# KiCad board UniversalTKL.kicad_pcb (continued)
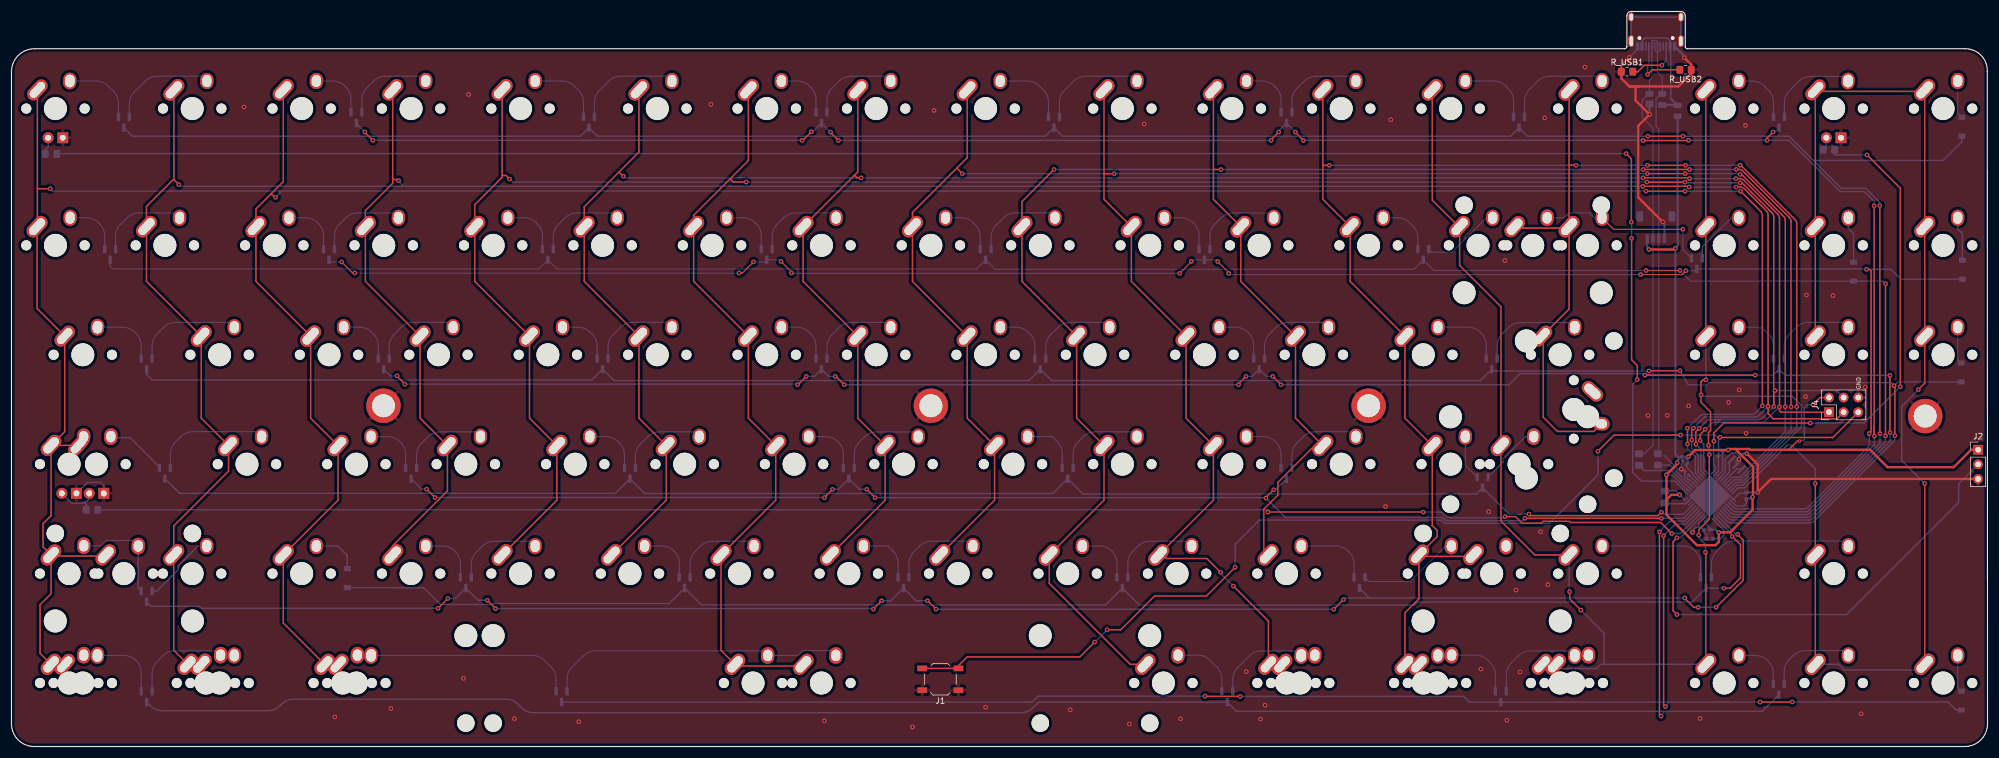
[diagram p0: board, top side]
## Via types (continued)

## Routing (per net, layer and track width the routed paths; a pad name or vN(x,y) marks a point on that pad's centre or on a via; arc(x,y) is an arc through that point)
+5V: length 210.5
  Top w0.25: 309.37,51.67 310.87,53.16 v2(311.26,53.16) ; J4.2 314.84,60.75 v1(313.61,59.52)
  Top w0.4: v1(289.66,86.75) 289.45,86.54 v1(285.06,86.54) ; 288.11,42.97 288.11,40.36 293.42,35.05 296.65,35.05 297.21,35.61 v1(297.21,37.28) 299.17,37.28 303.1,41.21 v1(303.1,43.42) 303.18,43.5 303.18,48.7 300.58,51.3 300.58,51.31 300.09,51.8 ; 288.11,42.97 v1(288.11,47.31) 289.98,49.18 v1(289.98,49.42) ; 288.11,42.97 288.96,43.82 v1(290.41,43.82) ; v1(291.92,50.48) 293.06,51.62 298.86,51.62 299.04,51.8 300.09,51.8 ; 300.09,51.8 302.47,51.8 302.61,51.67 323.55,51.67 326.59,48.63 338.11,48.63 341.14,51.67 J2.1
  Bottom w0.25: U1.14 297.88,47.97 297.88,51.35 ; U1.44 291.19,43.04 v1(290.41,43.82) ; C_DECOUP1.1 295.67,38.05 294.75,38.97 294.75,39.19 U1.34 ; v1(313.61,59.52) 312.7,59.52 312.1,58.92 312.1,53.46 311.92,53.28 311.38,53.28 v2(311.26,53.16) ; U1.24 299.44,42.69 300.23,41.89 301.57,41.89 302.01,42.33 302.01,43.16 ; v1(288.11,47.31) 288.16,47.26 289.14,47.26 291.83,44.58 U1.2 ; U1.7 293.24,46.76 293.23,46.76 292.7,47.29 292.7,47.6 291.59,48.71 ; 290.12,44.11 289.7,44.53 287.91,44.53 C_DECOUP2.1
  Bottom w0.4: v1(285.06,86.54) 284.76,86.84 J3.1 ; v1(291.92,50.48) 291.57,50.13 291.51,50.13 ; 291.51,50.13 291.15,50.5 290.71,50.5 290.35,50.13 ; 291.51,50.13 291.81,49.84 291.81,49.27 C_DECOUP4.1 ; 290.35,50.13 289.98,49.76 v1(289.98,49.42) ; 290.35,50.13 289.66,50.82 v1(289.66,86.75) 290.06,87.15 F1.2 ; 302.01,43.16 302.84,43.16 v1(303.1,43.42) ; 297.88,51.35 298.15,51.62 298.86,51.62 ; v1(297.21,37.28) 297.18,37.28 296.71,37.75 C_DECOUP1.1
  vias: v1(298.86,51.63)
GND: length 169.2
  Top w0.25: R_USB1.1 280.25,118.6 v1(281.64,119.99)
  Top w0.4: J2.3 306.31,46.59 v1(303.98,44.25) 303.98,49.11 v1(302.09,51) ; 281.65,114.92 282.73,114.92 ; 281.65,114.92 290.18,114.92 291.25,115.99 291.27,115.99 292.43,117.15 R_USB2.1 292.43,118.71 v1(291.22,119.92) ; 281.65,114.92 280.25,116.32 R_USB1.1 ; 282.73,114.92 282.73,112.49 v1(285.18,110.04) 283.2,108.06 283.2,95.59 285.17,93.62 285.18,93.62 v1(287.46,91.34) ; 282.73,114.92 283.53,114.92
  Bottom w0.25: v1(290.68,48.3) 291.04,47.94 C_UCAP1.2 291.3,47.58 291.29,47.57 291.29,47.05 291.86,46.48 292.1,46.48 U1.5 294.95,43.63 U1.45 ; v1(290.68,48.3) 290.07,48.3 287.71,50.66 ; v1(290.68,48.3) 290.68,49.14 290.91,49.37 C_DECOUP4.2 ; v1(281.64,119.99) 283.07,121.43 USB1.1 ; 293.73,38.15 294.11,38.15 294.51,37.75 C_DECOUP1.2 294.53,37.46 295.1,36.89 R_HWB1.2 ; 293.73,38.15 293.73,38.87 U1.35 295.66,40.8 U1.45 ; 293.73,38.15 293.22,38.15 292.65,37.58 v1(292.65,37.27) ; U1.45 299.13,43.63 299.72,43.04 U1.23 300.87,44.12 302.01,44.12 ; U1.45 295.66,45.05 U1.15 298.34,47.73 298.34,50.03 299.44,51.13 300.12,51.13 300.87,50.38 ; U1.45 292.83,43.63 U1.43 291.47,42.27 288,42.27 C_DECOUP2.2 ; v1(300.72,50.02) 300.45,49.75 300.24,49.75 300.24,49.18 ; MX1.4 13.21,45.98 15.48,45.98 16.07,45.39 MX7.4
  Bottom w0.4: v1(303.98,44.25) 302.14,44.25 302.01,44.12 ; J3.4 287.76,91.04 v1(287.46,91.34) ; 289.52,121.9 291.22,120.2 v1(291.22,119.92) ; v1(285.18,110.04) 285.16,110.06 D18.1 ; 300.62,50.13 301.49,51 v1(302.09,51)
  vias: v1(40.47,111.34) v1(56.28,5.15) v1(66.06,6.62) v1(78.69,11.86) v1(79.57,113.52) v1(87.57,4.85) v1(98.74,4.32) v1(121.77,111.81) v1(141.5,4.48) v1(156.84,3.39) v1(160.62,110.73) v1(169.58,6.84) v1(184.32,6.39) v1(194.59,3.91) v1(197.18,108.39) v1(203.5,4.83) v1(214.97,13.01) v1(217.44,4.79) v1(218.21,7.2) v1(239.19,41.78) v1(240.12,109.12) v1(255.8,13.48) v1(257.15,40.88) v1(259.98,84.6) v1(260.31,4.58) v1(261.92,27.23) v1(262.62,12.97) v1(266.19,37.4) v1(266.91,109.44) v1(267.46,28.18) v1(273.92,118.29) v1(284.88,57.64) v1(288.24,57.64) v1(291.95,59.3) v1(293.97,4.89) v1(298.92,59.91) v1(300.77,62.09) v1(301.86,108.13) v1(301.96,54.53) v1(312.34,60.94) v1(312.48,78.6) v1(317.09,78.5) v1(321.99,5.71) v1(322.71,62.58)
VCC: length 20.8
  Bottom w0.25: USB1.2 283.85,122.82 284.38,123.36 288.25,123.36 288.75,122.86 USB1.11 288.75,120.89 288.85,120.79 288.85,112.83
  Bottom w0.4: 288.85,112.83 F1.1 289.97,111.71 D18.4
CAPS: length 8
  Bottom w0.25: 12.76,42.36 13.53,43.13 MX7.3 ; 12.76,42.36 10.48,42.36 MX1.3 ; 12.76,42.36 13,42.12 R_INDICATOR1.2
col0: length 599.6
  Top w0.25: MX9.1 MX3.1 4.98,16.21 4.98,24.69 6.88,26.6 MX2.1 ; v1(284.55,96.7) 284.57,96.68 v1(291.36,96.68) ; MX8.1 16.21,33.15 7.09,33.15 MX2.1 ; MX18.1 47.32,98.35 45.2,96.24 ; v1(301,96.68) 304.51,93.17 arc(304.72,92.85) 304.8,92.47 v1(304.8,59.31) ; 45.2,96.24 45.82,95.62 v1(45.98,95.62) ; 45.2,96.24 42.55,93.59 MX19.1 42.55,80.98 MX20.1 52.08,57.17 MX21.1 56.84,42.88 MX22.1 47.32,21.5 MX17.1 ; MX2.1 5.5,34.74 5.5,38.81 6.88,40.2 MX1.1 ; 4.5,97.11 4.51,97.1 v1(6.74,97.1) ; 4.5,97.11 MX4.1 ; 4.5,97.11 4.5,90.56 MX5.1 4.45,76.27 MX6.1 9.27,54.81 MX1.1 ; MX7.1 11.62,52.43 MX1.1 ; v1(291.77,52.67) v1(291.77,55.4)
  Bottom w0.25: v1(301,96.68) v1(291.36,96.68) ; v1(291.77,52.67) 291.77,51.85 293.15,50.47 293.15,47.55 294,46.7 U1.8 ; 46.77,96.7 46.77,96.41 v1(45.98,95.62) ; 46.77,96.7 v1(284.55,96.7) ; 46.77,96.7 7.14,96.7 v1(6.74,97.1) ; v1(291.77,55.4) 293.9,57.53 arc(294.22,57.75) 294.6,57.82 302.9,57.82 arc(303.28,57.9) 303.6,58.11 v1(304.8,59.31)
col1: length 563.2
  Top w0.25: MX16.1 MX10.1 28.24,16.76 MX15.1 28.24,38.39 37.79,47.94 MX14.1 33.03,57.17 MX13.1 23.5,80.98 MX12.1 23.5,94.05 28.27,98.81 ; v1(300.26,97.41) 300.93,97.41 arc(301.32,97.33) 301.64,97.11 305.5,93.25 arc(305.72,92.93) 305.8,92.54 v1(305.8,59.22) 305.8,57.98 306.71,57.07 315.27,57.07 315.3,57.04 317.78,57.04 J4.3 ; MX11.1 28.27,98.81 ; 28.27,98.81 28.27,98.7 v1(29.13,97.83) ; v1(292.49,53.36) 292.49,55.1 v1(292.81,55.41) ; MX24.1 66.37,98.73 ; 66.37,98.73 67.18,98.73 v1(67.38,98.52) ; 66.37,98.73 66.37,98.07 61.6,93.31 MX25.1 61.6,80.98 MX26.1 71.13,57.17 MX27.1 75.89,44.49 66.37,34.97 MX28.1 ; v1(292.05,97.41) 291.92,97.54 v1(284,97.54)
  Bottom w0.25: v1(29.13,97.83) 29.42,97.54 68.27,97.54 ; v1(67.38,98.52) 67.38,98.43 68.27,97.54 ; v1(300.26,97.41) v1(292.05,97.41) ; 68.27,97.54 283.99,97.54 v1(284,97.54) ; v1(292.81,55.41) 292.81,55.43 294.74,57.36 303.52,57.36 arc(303.9,57.44) 304.23,57.65 v1(305.8,59.22) ; U1.9 294.33,47.05 293.64,47.74 293.64,50.72 293.63,50.72 292.49,51.86 v1(292.49,53.36)
col2: length 518.9
  Top w0.25: v1(307,61.97) 306.79,61.77 v1(306.79,59.18) 306.79,92.18 arc(306.72,92.56) 306.5,92.89 301.24,98.15 v1(300.93,98.15) ; 137.54,14.63 136.92,14.01 126.24,14.01 MX39.1 123.52,16.74 MX44.1 133.04,42.88 MX43.1 128.28,57.17 MX42.1 118.75,80.98 MX41.1 118.75,92.49 125.11,98.85 ; MX29.1 85.42,99.43 ; 85.42,99.43 86.08,99.43 v1(86.71,98.8) ; 85.42,99.43 85.42,99.11 80.65,94.35 MX30.1 80.65,80.98 MX31.1 90.18,57.17 MX32.1 94.94,42.88 MX33.1 ; 125.11,98.85 125.68,98.28 v1(127.91,98.28) ; 125.11,98.85 128.28,102.01 MX40.1 ; v1(291.34,98.26) 284.73,98.26 v1(284.71,98.28) ; v1(293.22,52.63) 293.22,54.8 v1(293.81,55.39)
  Bottom w0.25: v1(293.22,52.63) 294.11,51.74 294.11,48.01 U1.10 ; v1(300.93,98.15) 300.93,98.15 291.45,98.15 v1(291.34,98.26) ; v1(293.81,55.39) 293.81,55.39 295.32,56.9 304.1,56.9 arc(304.48,56.98) 304.81,57.19 v1(306.79,59.18) ; J4.4 317.73,61.97 v1(307,61.97) ; v1(284.71,98.28) v1(127.91,98.28) 87.23,98.28 v1(86.71,98.8)
col3: length 461.4
  Top w0.25: MX34.1 109.23,103.5 105.74,100.02 ; v1(292.13,98.88) 291.99,99.02 v1(284.03,99.02) ; v1(293.97,53.29) 293.97,54.32 v1(294.87,55.22) ; 146.76,99.47 147.33,100.03 MX46.1 ; 146.76,99.47 MX47.1 137.8,80.98 MX48.1 147.33,57.17 MX49.1 152.09,42.88 MX50.1 ; 146.76,99.47 147.22,99.01 v1(147.9,99.01) ; 105.74,100.02 106.46,99.3 v1(106.53,99.3) ; 105.74,100.02 99.7,93.98 MX35.1 99.7,80.98 MX36.1 109.23,57.17 MX37.1 113.99,42.88 MX38.1 ; v1(300.21,98.88) 300.86,98.88 arc(301.24,98.8) 301.57,98.58 307.5,92.65 arc(307.72,92.33) 307.79,91.94 v1(307.79,59.14) 307.79,58.46 308.04,58.21 J4.1
  Bottom w0.25: v1(292.13,98.88) 300.21,98.88 v1(300.21,98.88) ; v1(307.79,59.14) 305.39,56.73 arc(305.06,56.52) 304.68,56.44 296.52,56.44 arc(296.14,56.37) 295.82,56.15 294.89,55.22 v1(294.87,55.22) ; U1.11 295.06,47.76 294.6,48.22 294.6,52.66 v1(293.97,53.29) ; v1(284.03,99.02) 284.03,99.01 v1(147.9,99.01) 106.82,99.01 v1(106.53,99.3)
col4: length 421.8
  Top w0.25: 200.44,33.36 201.07,32.73 208.09,32.73 v1(210.49,30.33) ; 190.19,99.71 190.19,95.27 MX63.1 194.95,80.98 MX64.1 204.48,57.17 MX65.1 209.24,42.88 MX66.1 ; 190.19,99.71 190.22,99.74 v1(191.98,99.74) ; 190.19,99.71 MX62.1 ; MX55.1 171.14,42.88 MX54.1 166.38,57.17 MX53.1 156.85,80.98 MX52.1 156.85,92.99 164.59,100.72 ; v1(212.72,27.93) 218.82,21.84 MX67.1 MX61.1 ; v1(291.39,99.74) v1(284.77,99.74) ; v1(308.79,59.15) 308.79,91.58 arc(308.72,91.96) 308.5,92.29 301.19,99.6 v1(300.94,99.6) ; 164.59,100.72 164.59,100.66 v1(165.51,99.74) ; 164.59,100.72 166.38,102.51 MX51.1
  Bottom w0.25: v1(284.77,99.74) v1(191.98,99.74) 165.5,99.74 165.51,99.74 v1(165.51,99.74) ; v1(308.79,59.15) 308.79,54.79 300.88,46.88 299.61,46.88 298.37,45.65 U1.18 ; v1(212.72,27.93) 210.49,30.16 v1(210.49,30.33) ; v1(291.39,99.74) 300.8,99.74 v1(300.94,99.6)
col5: length 386
  Top w0.25: v1(181.49,100.47) 175.9,94.88 MX56.1 175.9,80.98 MX57.1 185.43,57.17 MX58.1 190.19,42.88 MX59.1 180.67,28.41 194.76,14.31 MX60.1 ; 209.24,100.46 210.55,100.46 v1(210.55,100.47) ; 209.24,100.46 MX68.1 ; 209.24,100.46 209.24,95.27 MX69.1 214,80.98 MX70.1 223.53,57.17 MX71.1 226.88,52.41 220.46,45.99 220.46,43.78 218.01,41.33 218.01,34.11 MX72.1 ; v1(309.79,59.15) 309.79,91.41 arc(309.72,91.79) 309.5,92.11 301.44,100.17 arc(301.11,100.39) 300.73,100.47 v1(300.28,100.47) ; v1(292.13,100.47) v1(284.08,100.47)
  Bottom w0.25: v1(284.08,100.47) v1(210.55,100.47) v1(181.49,100.47) ; v1(300.28,100.47) v1(292.13,100.47) ; v1(309.79,59.15) 309.79,55.14 301.08,46.43 299.87,46.43 U1.19
col6: length 342.9
  Top w0.25: MX87.1 270.9,90.25 261.93,90.25 MX89.1 ; MX87.1 271.15,76.17 MX90.1 266.65,71.25 266.65,57.35 269.13,54.86 275.45,54.86 MX80.1 ; MX87.1 271.15,101.22 ; MX88.1 271.15,101.22 ; 271.15,101.22 272.32,101.22 v1(272.35,101.19) ; MX104.1 254.23,33.1 245.26,33.1 MX78.1 ; MX73.1 MX79.1 242.58,23.28 245.01,25.71 MX78.1 ; MX78.1 248.2,36.55 248.2,37.6 247.34,38.46 MX77.1 242.58,57.17 MX76.1 233.05,80.98 MX75.1 228.29,95.27 228.29,101.15 ; v1(229.42,101.19) 228.33,101.19 228.29,101.15 ; v1(310.79,59.15) 310.79,91.04 arc(310.72,91.42) 310.5,91.75 301.04,101.2 v1(300.95,101.2) ; MX74.1 228.29,101.15 ; v1(291.43,101.19) v1(284.8,101.19)
  Bottom w0.25: v1(229.42,101.19) v1(272.35,101.19) v1(284.8,101.19) ; v1(291.43,101.19) 300.94,101.19 v1(300.95,101.2) ; v1(310.79,59.15) 310.79,55.51 301.28,46 301.28,45.98 300.13,45.98 U1.20
col7: length 285.5
  Top w0.25: 251.24,91.23 247.34,95.13 MX82.1 ; v1(294.97,63.84) 294.48,63.84 294.12,63.48 v1(294.12,61.24) 294.12,59.93 295.78,58.27 295.78,55.01 295.42,54.65 v1(295.42,52.43) ; v1(295.57,50.81) 295.57,39.57 293.73,37.74 293.73,36.83 v1(293.72,36.81) ; MX93.1 MX92.1 MX91.1 ; v1(271.26,26.95) 271.26,25.71 273.21,23.76 v1(273.21,23.75) ; MX94.1 294.97,33.56 294.97,33.56 294.97,33.75 v1(294.9,33.82) ; MX83.1 252.1,83.76 259.3,76.56 MX84.1 259.3,39.24 265.18,33.36 MX85.1
  Bottom w0.25: MX85.1 271.15,27.06 v1(271.26,26.95) ; MX93.1 294.97,63.85 v1(294.97,63.84) ; v1(294.12,61.24) 294.38,60.98 310.03,60.98 311.62,59.4 311.62,55.68 301.46,45.52 301.46,45.51 300.32,45.51 299.43,44.63 U1.21 ; v1(295.42,52.43) v1(295.57,50.81) ; v1(273.21,23.75) 277.25,19.71 277.25,14.31 ; MX86.1 MX81.1 269.57,13.56 275.9,13.56 276.64,14.31 277.25,14.31 ; 277.25,14.31 MX94.1 ; v1(293.72,36.81) 293.72,36.37 294.9,35.19 v1(294.9,33.82)
col8: length 238.7
  Top w0.25: MX97.1 MX96.1 314.02,114.27 MX95.1 314.32,114.06 332.81,114.06 MX100.1 MX101.1 MX102.1 333.07,63.24 v1(331.96,62.13) ; MX103.1 333.07,45.78 v1(333.07,45.79) ; MX99.1 MX98.1 314.02,45.78 v1(314.01,45.79)
  Bottom w0.25: MX99.1 318.08,14.31 319.07,13.32 332.08,13.32 MX103.1 ; v1(333.07,45.79) 329.07,49.79 329.07,59.24 v1(331.96,62.13) ; U1.22 299.79,44.24 300.58,45.03 301.71,45.03 309.14,52.47 309.9,52.47 314.01,48.35 v1(314.01,45.79)
D+: length 72.4
  Bottom w0.2: 286.54,120.98 286.29,120.98 286.05,121.23 ; 286.54,120.98 286.81,120.98 287.05,121.23 ; 286.54,120.98 286.54,117.38 287.36,116.56 D18.3 287.16,113.61 286.3,112.75 286.3,108 286.76,107.54 J3.3 286.76,51.14 R_DATA1.1
D-: length 77.6
  Bottom w0.2: R_DATA2.1 284.24,50.96 285.76,52.48 J3.2 285.76,107.66 283.89,109.53 283.89,112.54 284.96,113.61 D18.2 285.16,116.07 285.55,116.46 285.55,120.71 ; USB1.7 286.55,122.74 286.36,122.93 285.76,122.93 285.55,122.72 USB1.5 285.55,119.96
layer: length 3
  Bottom w0.25: MX4.3 6.38,104.39 5.89,103.89 R_INDICATOR3.2
lock: length 283.1
  Top w0.25: v1(260.03,40.03) 261.84,40.03 262.98,38.88 266.31,38.88 266.64,39.21 271.2,39.21 271.4,39.01 287.1,39.01 v1(289.03,37.08) ; v1(245.79,40.81) 245.78,40.82 v1(218.74,40.82)
  Bottom w0.25: 218.34,41.22 v1(218.74,40.82) ; v1(245.79,40.81) 248.97,40.81 249.96,39.82 259.83,39.82 v1(260.03,40.03) ; U1.37 294,40.56 290.52,37.08 v1(289.03,37.08) ; 15.01,41.22 218.84,41.22
lock2: length 92.3
  Top w0.25: v1(328.82,62.63) 328.82,97.2 v1(323.02,103) ; v1(296.37,53.14) 296.37,54.61 298.1,56.34 v1(313.14,56.32)
  Bottom w0.25: v1(296.37,53.14) 296.32,53.09 296.32,49.08 296.53,48.87 296.53,48.04 U1.12 ; v1(328.82,62.63) 322.53,56.34 v1(313.14,56.32) ; 316.93,103.93 316.93,103.55 317.48,103 v1(323.02,103)
lock3: length 340.6
  Top w0.25: v1(282,91.29) 282,102.32 v1(281.09,103.23) ; v1(282.04,88.47) 282.04,67.34 283.03,66.35 v1(283.03,63.87)
  Bottom w0.25: v1(282,91.29) 282.04,91.25 v1(282.04,88.47) ; U1.1 291.53,44.24 289.56,46.21 283.77,46.21 282.23,47.75 282.23,63.07 v1(283.03,63.87) ; v1(281.09,103.23) 9.22,103.23 9.2,103.21 7.93,103.21 R_INDICATOR3.1
rgbout: length 85.1
  Top w0.25: v1(289.93,36.34) 289.26,35.67 289.26,23.64 v1(289.93,22.97)
  Bottom w0.25: v1(289.93,36.34) 290.49,36.34 U1.36 ; J2.2 338.97,45.74 338.97,42.48 319.46,22.97 v1(289.93,22.97)
row0: length 417.3
  Top w0.25: v1(325.26,94.18) 325.26,54.5 v1(325.28,54.48) ; v1(284.88,106.26) v1(290.98,106.26)
  Bottom w0.25: v1(284.88,106.26) 263.94,106.26 D40.3 260.95,106.25 182.98,106.25 D28.3 179.99,106.25 102.02,106.25 D14.3 99.03,106.26 21.05,106.26 D2.3 ; v1(325.28,54.48) 325.28,52.84 313.12,40.68 arc(312.8,40.47) 312.42,40.39 300.02,40.39 arc(299.64,40.47) 299.32,40.68 298.38,41.63 U1.27 ; 313.68,102.03 318.53,97.18 322.79,97.18 325.26,94.71 v1(325.26,94.18) ; 313.68,102.03 336.26,102.03 339.53,105.3 D47.1 ; 313.68,102.03 309.45,106.26 v1(290.98,106.26)
row1: length 353
  Top w0.25: v1(306.67,106.99) 305.62,105.94 v1(305.62,105.54) ; v1(224.91,105.53) 223.53,106.91 v1(223.53,106.98) ; v1(143.95,105.53) 142.58,106.9 v1(142.58,106.98) ; v1(219.28,105.53) 219.28,105.65 v1(220.61,106.98) ; v1(61.51,106.99) 61.51,106.94 v1(62.91,105.54) ; v1(324.26,94.14) 324.26,55.62 ; 324.26,55.62 324.26,54.32 ; 324.26,55.62 324.26,54.09 v1(324.3,54.05) ; v1(137.63,105.53) 137.76,105.53 v1(139.26,107.03) ; v1(291.93,105.54) 291.89,105.5 v1(284.05,105.5)
  Bottom w0.25: v1(220.61,106.98) 220.61,107.19 D35.3 221.97,108.54 v1(223.53,106.98) ; v1(224.91,105.53) 224.93,105.55 284,105.55 v1(284.05,105.5) ; v1(137.63,105.53) 137.62,105.54 v1(62.91,105.54) ; v1(324.3,54.05) 324.3,52.53 312.92,41.15 arc(312.6,40.94) 312.22,40.86 300.26,40.86 arc(299.88,40.94) 299.56,41.15 298.73,41.98 U1.26 ; v1(291.93,105.54) v1(305.62,105.54) 309.42,105.54 318.34,96.62 322.56,96.62 324.26,94.92 v1(324.26,94.14) ; v1(306.67,106.99) 306.93,106.99 D43.3 ; v1(142.58,106.98) 141.01,108.54 D20.3 139.49,107.03 v1(139.26,107.03) ; v1(61.51,106.99) 60.04,108.46 D8.3 ; v1(143.95,105.53) v1(219.28,105.53)
row2: length 377.1
  Top w0.2: v1(284.57,82.87) v1(290.46,82.87)
  Top w0.25: v1(326.24,54.06) 326.24,80.54 v1(326.26,80.56)
  Bottom w0.2: D3.3 17.18,83.59 17.62,83.15 91.8,83.15 D15.3 94.97,83.14 167.99,83.14 D25.3 171.23,83.08 244.13,83.08 244.39,83.34 244.39,83.34 D36.3 247.64,82.87 v1(284.57,82.87) ; D46.1 292.31,81.02 v1(290.46,82.87)
  Bottom w0.25: D46.1 325.8,81.02 v1(326.26,80.56) ; v1(326.24,54.06) 326.24,53.09 313.35,40.2 arc(313.03,39.99) 312.65,39.91 299.79,39.91 arc(299.41,39.99) 299.09,40.2 U1.28
row3: length 351.3
  Top w0.2: v1(57.48,84.35) 59.38,82.45 v1(59.77,82.45) ; v1(211.9,82.38) 211.9,82.52 v1(209.98,84.44) ; v1(283.61,82.17) 290.82,82.17 v1(291.48,82.84) ; v1(133.97,84.44) 135.8,82.61 v1(135.8,82.44) ; v1(126.67,82.44) 127.25,82.44 v1(129.18,84.37) ; v1(203.37,82.38) 205.39,84.4 v1(205.39,84.46)
  Top w0.25: v1(322.94,83.08) 323.43,83.08 323.73,82.78 323.73,54.82 v1(323.4,54.49)
  Bottom w0.2: v1(291.48,82.84) 293.1,82.84 D42.3 ; v1(133.97,84.44) 133.68,84.73 D21.3 131.12,84.37 v1(129.18,84.37) ; v1(135.8,82.44) 135.86,82.38 v1(203.37,82.38) ; D9.3 55.66,84.35 v1(57.48,84.35) ; v1(126.67,82.44) 126.63,82.4 59.82,82.4 v1(59.77,82.45) ; v1(205.39,84.46) 205.66,84.73 D31.3 209.69,84.73 v1(209.98,84.44) ; v1(211.9,82.38) 212.11,82.17 v1(283.61,82.17)
  Bottom w0.25: D42.3 322.88,83.14 v1(322.94,83.08) 327.17,83.08 328.88,81.37 D48.1 ; U1.25 299.76,41.65 arc(300.08,41.44) 300.47,41.36 312.03,41.36 arc(312.41,41.44) 312.73,41.65 323.4,52.32 v1(323.4,54.49)
row4: length 370
  Top w0.25: v1(327.73,62.83) 327.87,62.7 v1(327.87,54.13) ; v1(285.06,65.38) 285.11,65.43 v1(290.46,65.43)
  Bottom w0.25: D49.1 328.37,63.47 v1(327.73,62.83) ; v1(285.06,65.38) 257.98,65.38 D39.3 255.72,63.72 181.06,63.72 D26.3 177.14,63.72 104.86,63.72 D16.3 101.03,63.81 24.51,63.81 23.53,64.79 D4.3 ; v1(290.46,65.43) 291.92,62.96 295.12,62.96 295.51,63.35 327.24,63.35 327.73,62.86 ; U1.30 297.31,40.56 298.63,39.24 arc(298.95,39.03) 299.33,38.95 313.08,38.95 arc(313.46,39.03) 313.78,39.24 327.87,53.33 v1(327.87,54.13)
row5: length 316.7
  Top w0.25: v1(221.02,63) 219.57,64.45 v1(219.57,64.45) ; v1(136.84,63) 136.91,63 v1(138.36,64.45) ; v1(214.91,64.45) 213.62,63.16 v1(213.62,63) ; v1(68.49,63.09) 67.13,64.45 v1(67.13,64.54) ; v1(327.03,54.67) 327.01,54.69 v1(327.01,64.62) ; v1(303.55,64.66) 303.55,64.66 v1(284.37,64.66) ; v1(143.41,64.45) 143.52,64.45 v1(144.97,63)
  Bottom w0.25: v1(327.03,54.67) 327.03,53.19 313.56,39.72 arc(313.24,39.51) 312.86,39.43 299.56,39.43 arc(299.18,39.51) 298.86,39.72 297.67,40.92 U1.29 ; v1(219.57,64.45) 218.44,64.45 D32.3 215.97,64.45 v1(214.91,64.45) ; v1(136.84,63) 136.75,63.09 v1(68.49,63.09) ; v1(144.97,63) v1(213.62,63) ; v1(284.37,64.66) 284.09,64.93 262.62,64.93 260.69,63 v1(221.02,63) ; v1(327.01,64.62) 308.75,64.62 D44.3 306.67,64.66 v1(303.55,64.66) ; v1(143.41,64.45) 142.24,64.45 D22.3 139.77,64.45 v1(138.36,64.45) ; D10.3 65.95,64.54 v1(67.13,64.54)
row6: length 274.7
  Top w0.25: v1(287.23,40.8) 286.62,40.19 264.44,40.19 v1(264.17,40.46)
  Bottom w0.25: D5.3 29.25,44.08 105.12,44.08 D17.3 110.25,44.05 181.29,44.05 D27.3 186.52,43.98 255.03,43.98 D37.3 260.68,40.46 v1(264.17,40.46) ; U1.41 292.59,41.97 291.05,40.43 287.6,40.43 v1(287.23,40.8)
row7: length 235.2
  Top w0.25: v1(219.74,44.71) 218.38,43.35 v1(218.38,43.26) ; v1(150.34,43.33) 148.9,44.77 v1(148.9,44.78) ; v1(263.47,39.74) 287.22,39.74 v1(287.23,39.73) ; v1(73.73,43.36) 72.28,44.81 v1(72.26,44.81) ; v1(141.51,43.33) 141.51,43.37 v1(142.92,44.78)
  Bottom w0.25: D33.3 220.04,44.71 v1(219.74,44.71) ; v1(142.92,44.78) 143.91,44.78 D23.3 147.62,44.78 v1(148.9,44.78) ; D11.3 71.39,44.81 v1(72.26,44.81) ; v1(150.34,43.33) 218.31,43.33 v1(218.38,43.26) 221.77,39.87 249.15,39.87 249.72,39.3 263.03,39.3 v1(263.47,39.74) ; v1(141.51,43.33) 141.48,43.36 v1(73.73,43.36) ; v1(287.23,39.73) 291.08,39.73 292.95,41.6 U1.40
row8: length 303.7
  Top w0.25: v1(296.76,24.24) 301.47,28.95 301.47,35.96 v1(300.5,36.93) ; v1(230.19,23.9) 231.85,25.55 v1(231.91,25.55) ; v1(82.84,25.47) 82.84,25.46 v1(84.28,24.02) ; v1(151.47,25.38) 150.06,23.97 v1(150.06,23.93) ; v1(74.27,24.06) 75.97,25.76 v1(75.97,25.78) ; v1(291.29,25.86) 291.29,25.8 292.86,24.23 v1(293.63,24.23) ; v1(160.95,23.93) 159.5,25.38 v1(159.45,25.38)
  Bottom w0.25: v1(231.91,25.55) 232.22,25.86 236.39,25.86 ; 236.39,25.86 v1(291.29,25.86) ; 236.39,25.86 D34.3 ; v1(74.27,24.06) 33.12,24.06 32.77,24.41 24.32,24.41 D6.3 ; v1(84.28,24.02) 149.97,24.02 v1(150.06,23.93) ; v1(160.95,23.93) 160.98,23.9 v1(230.19,23.9) ; v1(296.76,24.24) 293.64,24.24 v1(293.63,24.23) ; v1(159.45,25.38) 157.5,25.38 D24.3 153.09,25.38 v1(151.47,25.38) ; v1(82.84,25.47) 81.21,25.47 D12.3 77.29,25.78 v1(75.97,25.78) ; U1.31 300.24,36.93 v1(300.5,36.93)
row9: length 262.9
  Top w0.25: v1(299.56,36.58) 300.99,35.15 300.99,29.37 299.17,27.55 v1(298.1,27.55)
  Bottom w0.25: v1(299.56,36.58) 299.56,36.9 296.61,39.86 U1.32 ; D7.1 67.18,27.66 67.18,27.63 71.77,27.63 74.67,24.73 83.8,24.73 83.96,24.9 114.51,24.9 D19.3 120.12,24.65 190.46,24.65 D30.3 196.35,24.62 244.26,24.62 244.78,25.14 292.55,25.14 D41.3 298.07,27.58 v1(298.1,27.55)
row10: length 329.7
  Top w0.25: v1(286.89,37.37) 286.89,5.56 v1(287.16,5.29)
  Bottom w0.25: U1.39 291.26,39.23 288.75,39.23 v1(286.89,37.37) ; 287.85,6.13 213.25,6.13 D29.3 178.8,7.74 177.82,6.76 arc(176.85,6.11) 175.7,5.88 90.91,5.88 arc(89.76,6.11) 88.79,6.76 88.2,7.35 arc(87.23,8) 86.08,8.23 49.13,8.23 arc(47.98,8) 47.01,7.35 46.77,7.11 arc(45.8,6.46) 44.65,6.23 26.28,6.23 arc(25.13,6.46) 24.16,7.11 D1.3 ; 287.85,6.13 287.16,5.44 v1(287.16,5.29) ; 287.85,6.13 304.79,6.13 D45.3
row11: length 284.6
  Top w0.25: v1(310.01,7.76) 309.98,7.73 v1(304.41,7.73) ; v1(207.81,8.77) 207.86,8.72 v1(213.9,8.72) ; v1(287.92,6.94) 287.62,7.24 v1(287.62,36.69)
  Bottom w0.25: D50.1 338.52,6.35 337.11,7.76 v1(310.01,7.76) ; 288.33,7.74 304.4,7.74 v1(304.41,7.73) ; 288.33,7.74 D38.3 253.79,7.74 252.81,8.72 v1(213.9,8.72) ; 288.33,7.74 288.33,7.35 v1(287.92,6.94) ; U1.38 293.65,40.92 291.46,38.72 289.65,38.72 289.39,38.46 289.39,38.46 v1(287.62,36.69) ; v1(207.81,8.77) 178.73,8.77 177.7,7.74 176.62,7.74 ; D13.3 176.62,7.74 ; 176.62,7.74 177.46,7.74
RST: length 193.9
  Top w0.25: v1(297.43,53.83) 297.45,53.81 317.09,53.81 J4.5 ; v1(290.55,54.22) 278.98,54.22 v1(276.18,51.42) ; v1(213.02,31.2) 208.03,26.21 199,26.21 193.14,20.35 193.14,20.32 v1(190.73,20.32) ; J1.2 J1.2 164.85,14.07 166.38,15.6 185.99,15.6 v1(188.57,18.18)
  Bottom w0.25: U1.13 297.16,47.96 297.16,53.7 ; 297.16,53.7 297.3,53.7 v1(297.43,53.83) ; 297.16,53.7 296.64,54.22 v1(290.55,54.22) ; v1(276.18,51.42) 276.18,47.31 267.72,38.85 249.53,38.85 248.96,39.42 217.24,39.42 213.02,35.2 v1(213.02,31.2) ; v1(188.57,18.18) 188.59,18.18 v1(190.73,20.32)
scroll: length 2.1
  Bottom w0.25: MX95.3 315.95,103.96 315.91,103.93
Net-(C_UCAP1-Pad1): length 1.8
  Bottom w0.25: C_UCAP1.1 292.03,47.26 U1.6
Net-(D1-Pad1): length 15
  Bottom w0.2: D1.1 22.58,12.83 arc(22.35,13.98) 21.7,14.95 21.67,14.98 arc(20.7,15.63) 19.55,15.86 MX9.2 14.92,15.91 MX3.2
Net-(D1-Pad2): length 19.8
  Bottom w0.2: MX16.2 38.73,15.91 MX10.2 35.64,16.66 28.45,16.66 arc(27.3,16.43) 26.33,15.78 25.36,14.81 arc(24.71,13.84) 24.48,12.69 D1.2
Net-(D2-Pad1): length 12.9
  Bottom w0.2: D2.1 18.61,111.99 arc(18.38,113.14) 17.73,114.11 16.85,114.99 arc(15.88,115.64) 14.73,115.87 MX4.2
Net-(D2-Pad2): length 18.6
  Bottom w0.2: D2.2 20.51,111.85 arc(20.74,113) 21.39,113.97 23.25,115.83 arc(24.22,116.48) 25.37,116.71 33.17,116.71 MX11.2
Net-(D3-Pad1): length 10.1
  Bottom w0.2: D3.1 16.23,88.88 arc(16,90.03) 15.35,91 15.17,91.18 arc(14.2,91.83) 13.05,92.06 MX5.2
Net-(D3-Pad2): length 15.8
  Bottom w0.2: D3.2 18.13,88.81 arc(18.36,89.96) 19.01,90.93 20.09,92.01 arc(21.06,92.66) 22.21,92.89 28.42,92.89 MX12.2
Net-(D4-Pad1): length 11.6
  Bottom w0.2: D4.1 22.58,69.78 arc(22.35,70.93) 21.7,71.9 21.47,72.13 arc(20.5,72.78) 19.35,73.01 MX6.2
Net-(D4-Pad2): length 19
  Bottom w0.2: D4.2 24.48,69.74 arc(24.71,70.89) 25.36,71.86 26.46,72.96 arc(27.43,73.61) 28.58,73.84 37.94,73.84 MX13.2
Net-(D5-Pad1): length 10.5
  Bottom w0.25: 17.62,53.64 17.75,53.77 20.66,53.77 25.75,48.68 D5.1
Net-(D5-Pad2): length 20.7
  Bottom w0.2: MX14.2 42.68,54.82 31.58,54.82 arc(30.43,54.59) 29.46,53.94 28.53,53.01 arc(27.88,52.04) 27.65,50.89 D5.2
Net-(D6-Pad1): length 18.3
  Bottom w0.2: MX8.2 21.08,35.88 16.51,35.88 15.58,34.96 MX2.2
  Bottom w0.25: MX8.2 22.06,27.59 D6.1
Net-(D6-Pad2): length 13.1
  Bottom w0.25: D6.2 25.31,27.08 29.03,30.79 29.03,31.44 32.49,34.91 MX15.2
Net-(D7-Pad2): length 8.4
  Bottom w0.25: D7.2 58.45,33.24 56.78,34.91 MX22.2
Net-(D8-Pad1): length 10.1
  Bottom w0.2: MX18.2 55.9,115.87 arc(57.05,115.64) 58.02,114.99 58.21,114.8 arc(58.86,113.83) 59.09,112.68 D8.1
Net-(D8-Pad2): length 15.8
  Bottom w0.2: D8.2 60.99,112.58 arc(61.22,113.73) 61.87,114.7 62.99,115.82 arc(63.96,116.47) 65.11,116.7 71.28,116.7 MX24.2
Net-(D9-Pad1): length 10.1
  Bottom w0.2: D9.1 54.33,88.9 arc(54.1,90.05) 53.45,91.02 53.29,91.18 arc(52.32,91.83) 51.17,92.06 MX19.2
Net-(D9-Pad2): length 15.9
  Bottom w0.2: MX25.2 66.52,92.89 60.28,92.89 arc(59.13,92.66) 58.16,92.01 57.11,90.96 arc(56.46,89.99) 56.23,88.84 D9.2
Net-(D10-Pad1): length 10
  Bottom w0.2: MX20.2 60.59,73.01 arc(61.74,72.78) 62.71,72.13 62.98,71.87 arc(63.63,70.89) 63.85,69.75 D10.1
Net-(D10-Pad2): length 15.8
  Bottom w0.2: D10.2 65.75,69.66 arc(65.98,70.81) 66.63,71.78 67.82,72.97 arc(68.79,73.62) 69.94,73.85 76.03,73.85 MX26.2
Net-(D11-Pad1): length 10.1
  Bottom w0.2: MX21.2 65.51,53.96 arc(66.66,53.73) 67.63,53.08 67.74,52.97 arc(68.39,52) 68.62,50.85 D11.1
Net-(D11-Pad2): length 15.8
  Bottom w0.2: D11.2 70.52,50.71 arc(70.74,51.85) 71.39,52.83 72.47,53.9 arc(73.44,54.55) 74.59,54.78 80.82,54.78 MX27.2
Net-(D12-Pad1): length 10.1
  Bottom w0.2: D12.1 78.14,31.81 arc(77.91,32.96) 77.26,33.93 77.16,34.03 arc(76.19,34.68) 75.04,34.91 MX28.2
Net-(D12-Pad2): length 15.9
  Bottom w0.2: MX33.2 90.34,35.73 84.05,35.73 arc(82.9,35.5) 81.93,34.85 80.92,33.84 arc(80.27,32.87) 80.04,31.72 D12.2
Net-(D13-Pad1): length 38.9
  Bottom w0.2: MX17.2 62.54,15.91 MX23.2 90.68,15.86 arc(91.83,15.63) 92.8,14.98 93.93,13.85 arc(94.58,12.88) 94.81,11.73 D13.1
Net-(D13-Pad2): length 52.4
  Bottom w0.2: MX45.2 142.66,16.7 137.81,16.7 136.96,15.86 MX39.2 130.84,16.66 101.66,16.66 arc(100.51,16.43) 99.54,15.78 97.59,13.83 arc(96.94,12.86) 96.71,11.71 D13.2
Net-(D14-Pad1): length 12.9
  Bottom w0.2: D14.1 99.57,112.15 arc(99.34,113.29) 98.69,114.27 97.97,114.99 arc(97,115.64) 95.85,115.87 MX29.2
Net-(D14-Pad2): length 18.7
  Bottom w0.2: D14.2 101.47,112.1 arc(101.7,113.25) 102.35,114.22 103.96,115.83 arc(104.93,116.48) 106.08,116.71 114.14,116.71 MX34.2
Net-(D15-Pad1): length 10.1
  Bottom w0.2: D15.1 92.43,88.86 arc(92.2,90.01) 91.55,90.98 91.35,91.18 arc(90.38,91.83) 89.23,92.06 MX30.2
Net-(D15-Pad2): length 15.8
  Bottom w0.2: MX35.2 104.62,92.89 98.45,92.89 arc(97.3,92.66) 96.33,92.01 95.21,90.89 arc(94.56,89.92) 94.33,88.77 D15.2
Net-(D16-Pad1): length 10
  Bottom w0.2: MX31.2 98.64,73.01 arc(99.79,72.78) 100.76,72.13 101.08,71.82 arc(101.73,70.84) 101.95,69.7 D16.1
Net-(D16-Pad2): length 15.8
  Bottom w0.2: D16.2 103.85,69.6 arc(104.08,70.75) 104.73,71.72 105.99,72.98 arc(106.96,73.63) 108.11,73.86 114.12,73.86 MX36.2
Net-(D17-Pad1): length 10
  Bottom w0.2: D17.1 106.72,50.71 arc(106.49,51.86) 105.84,52.83 105.59,53.08 arc(104.62,53.73) 103.47,53.96 MX32.2
Net-(D17-Pad2): length 15.7
  Bottom w0.2: D17.2 108.62,50.55 arc(108.84,51.69) 109.49,52.67 110.74,53.91 arc(111.71,54.56) 112.86,54.79 118.91,54.79 MX37.2
Net-(D19-Pad1): length 10.2
  Bottom w0.2: D19.1 116.24,31.88 arc(116.01,33.03) 115.36,34 115.33,34.03 arc(114.36,34.68) 113.21,34.91 MX38.2
Net-(D19-Pad2): length 15.9
  Bottom w0.2: MX44.2 128.44,35.73 122.03,35.73 arc(120.88,35.5) 119.91,34.85 119.02,33.96 arc(118.37,32.99) 118.14,31.84 D19.2
Net-(D20-Pad1): length 10
  Bottom w0.2: D20.1 140.05,112.6 arc(139.83,113.74) 139.18,114.72 138.9,114.99 arc(137.93,115.64) 136.78,115.87 MX40.2
Net-(D20-Pad2): length 15.8
  Bottom w0.2: D20.2 141.95,112.49 arc(142.18,113.64) 142.83,114.61 144.04,115.82 arc(145.01,116.47) 146.16,116.7 152.25,116.7 MX46.2
